# KiCad board OpenEFI_rev4.kicad_pcb (continued)
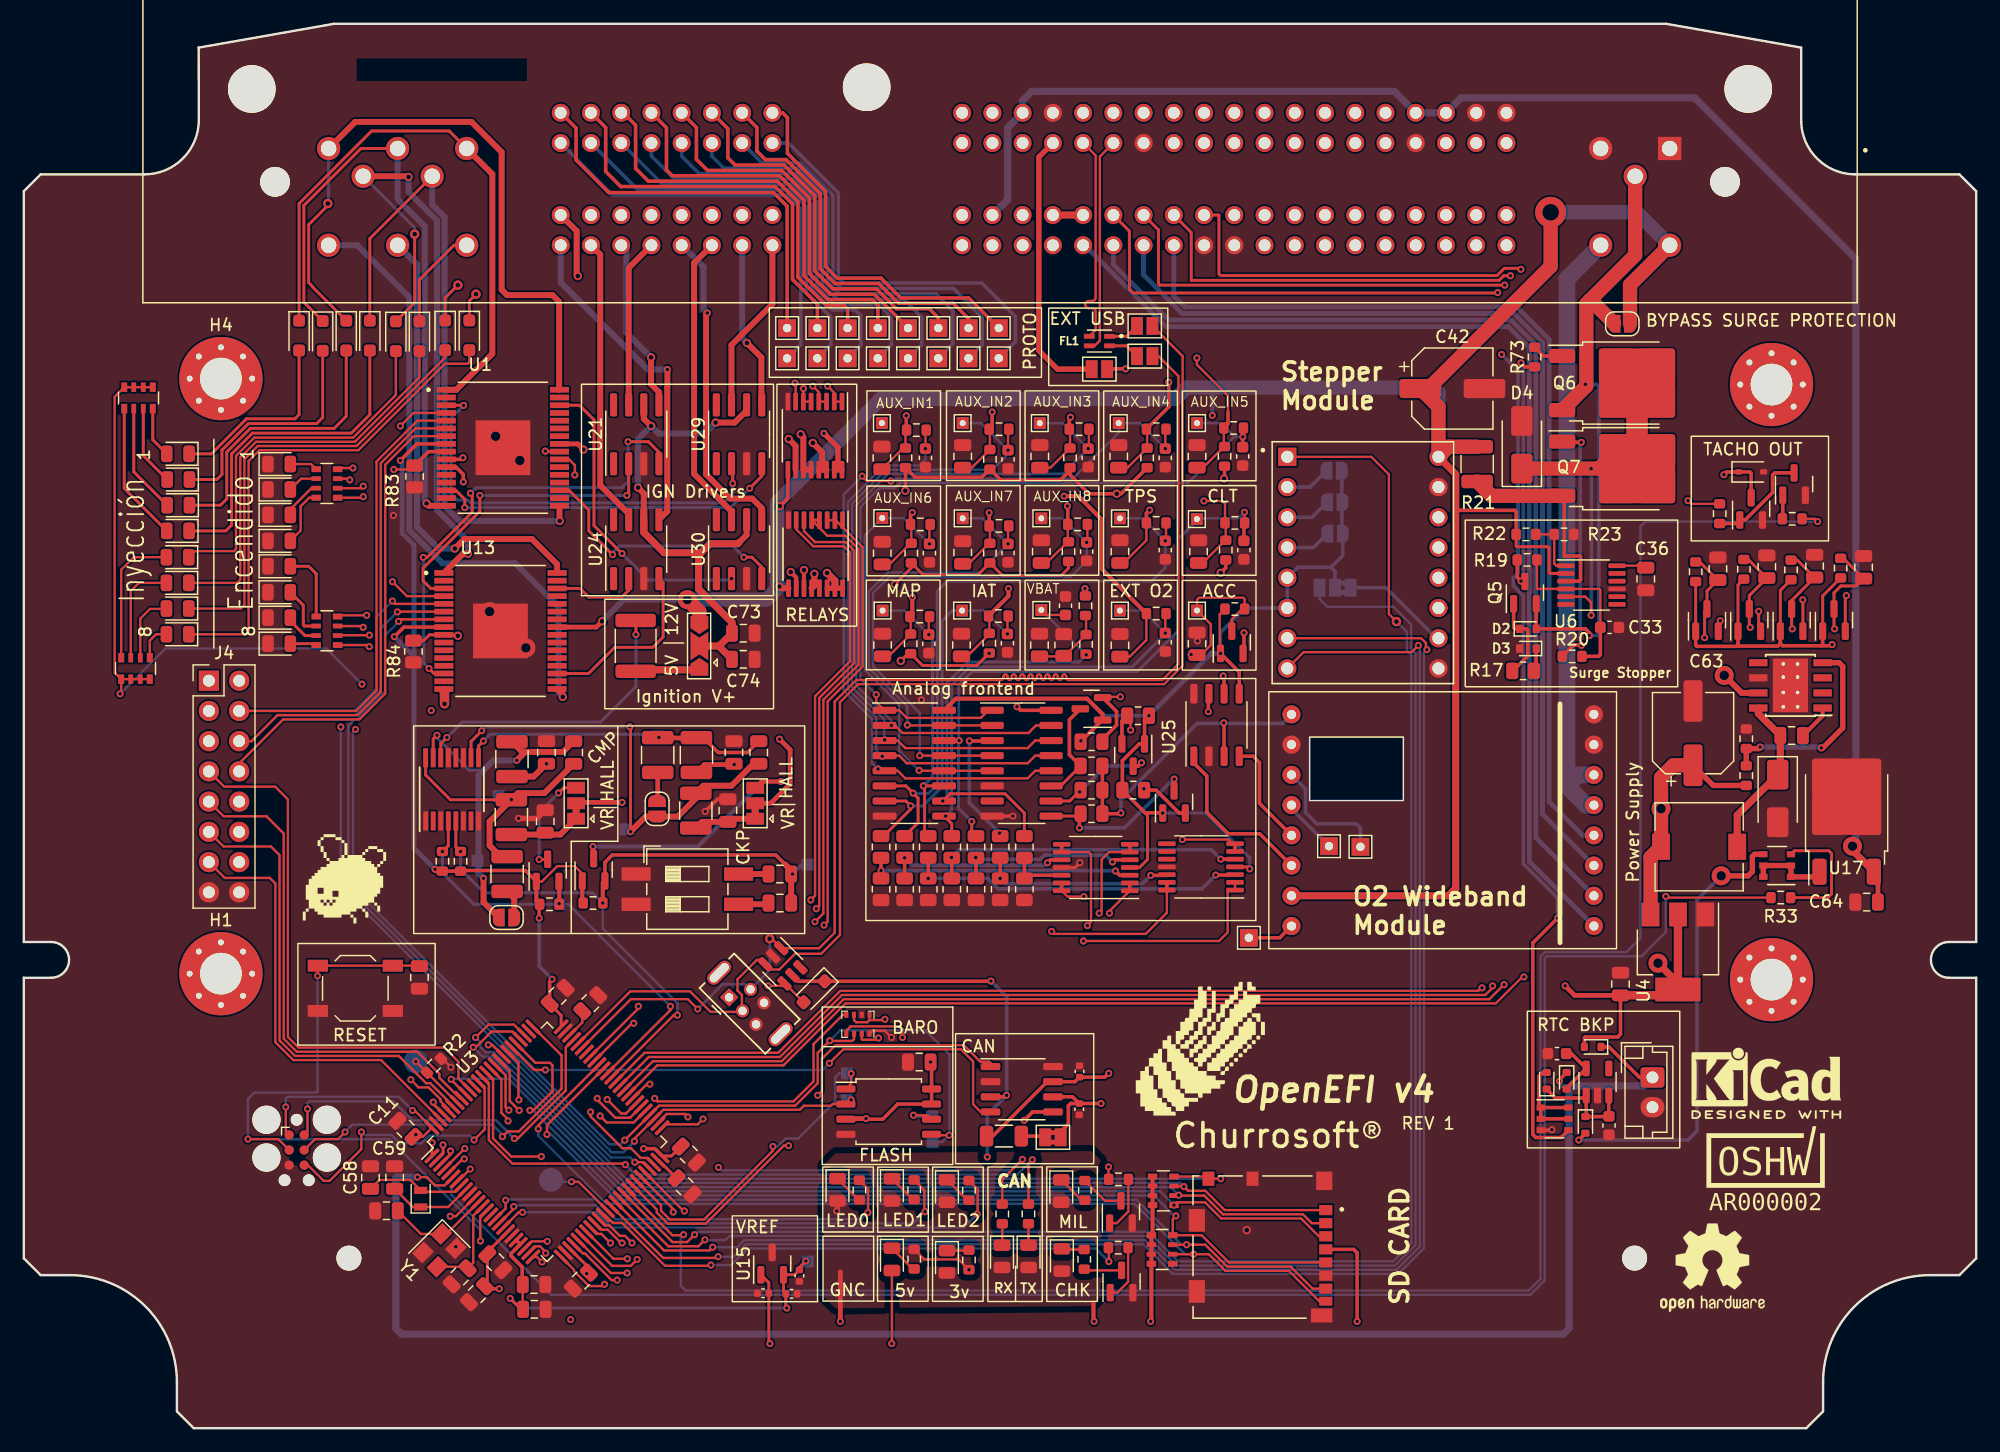
[diagram p0: board, top side]
## Nets (continued)
/Sensores/CH_TPS_m: C71.1 R13.2 R76.1 TP19.1 U26.6
/Sensores/CH_VBATT_m: C29.1 R56.1 R62.2 TP20.1 U26.10
/Sensores/mux_out: R57.2 U2.3
/SPI2_MISO: J4.8 TP30.1 U1.7 U3.53 U7.2 U8.5 U13.7
/SPI2_MOSI: J4.6 TP29.1 U1.6 U3.54 U7.5 U8.3 U13.6
/SPI2_SCK: J4.4 TP28.1 U1.5 U3.47 U7.6 U8.4 U13.5
/SYS_SWCLK: J2.4 U3.76
/SYS_SWDIO: J2.2 U3.72
/SYS_SWO: J2.6 U3.89
/TIM9_CH1: U3.4 U20.1 U20.2 U20.3
/TIM9_CH2: U3.5 U20.4 U20.5
ACC: J6.61 Q19.2
AUX_CH1: C32.1 J6.70 R36.1 R38.2
AUX_CH2: C18.1 J6.71 R6.1 R11.2
AUX_CH3: C21.1 J6.72 R9.1 R14.2
AUX_CH4: C24.1 J6.73 R12.1 R37.2
AUX_CH5: C34.1 J6.74 R8.2 R43.1
AUX_CH6: C37.1 J6.75 R41.1 R60.2
AUX_CH7: C39.1 J6.76 R39.1 R42.2
AUX_CH8: C45.1 J6.77 R15.1 R40.2
AUX_IN1: J6.30 Q2.2
AUX_IN2: J6.31 Q1.2
AUX_IN3: J6.32 Q3.2
AUX_IN4: J6.33 Q4.2
CAN+: C27.2 J6.60 R1.2 U12.7 U25.7
CAN-: C28.1 J6.58 JP7.1 U12.6 U25.6
CH_CLT: C68.1 J6.63 R45.2 R46.1
CH_IAT: C66.1 J6.67 R54.1 R75.2
CH_MAP: C30.1 J6.68 R74.1 R77.2
CH_O2: C1.1 J6.69 R78.2
CH_TPS: C70.1 J6.64 R76.2
CHECK_ENGINE: J6.104 U20.11
CKP+: J6.8 JP9.2
CKP-: C56.1 J6.9 R116.1
CMP+: J6.7 JP8.2
CMP-: C52.1 J6.6 R71.1
IGN1: J6.106 RN3.8 U29.7
IGN2: J6.107 RN3.7 U29.5
IGN3: J6.108 RN3.5 U30.7
IGN4: J6.109 RN3.6 U30.5
IGN5: J6.110 RN4.8 U21.7
IGN6: J6.111 RN4.7 U21.5
IGN7: J6.112 RN4.6 U24.7
IGN8: J6.113 RN4.5 U24.5
IGN_V+: C73.2 C74.1 JP6.2 U21.6 U24.6 U29.6 U30.6
INJ1: D47.1 J6.114 U1.1
INJ2: D64.1 J6.115 U1.16
INJ3: D66.1 J6.116 U1.32
INJ4: D68.1 J6.117 U1.17
INJ5: D70.1 J6.118 U13.1
INJ6: D72.1 J6.119 U13.16
INJ7: D74.1 J6.120 U13.32
INJ8: D76.1 J6.121 U13.17
LSU_Heater+: C42.1 D24.2 J6.4 JP4.2 JP6.3 Q10.4 R21.1 R22.1 R28.2 R35.1 RN1.5 RN1.6 RN1.7 RN1.8 RN2.5 RN2.6 RN2.7 RN2.8 U1.25 U6.2 U13.25 U16.7 U19.7 U20.9 U22.9 U23.16
LSU_Heater-: J6.5 U19.11 U19.12
LSU_Ip: J6.13 U19.13
LSU_Rtrim: J6.11 U19.15
LSU_Un: J6.10 U19.16
LSU_Vm: J6.12 U19.14
MIL_OUT: J6.105 U20.10
OSC32_IN: C58.1 U3.8 Y3.2
OSC32_OUT: C59.1 U3.9 Y3.1
OSC_IN: C2.1 U3.12 Y1.1
OSC_OUT: C3.1 U3.13 Y1.3
PWM0_OUT: J6.102 U20.14 U20.15 U20.16
PWM1_OUT: J6.103 U20.12 U20.13
R0_OUT: J6.98 U22.15 U22.16
R1_OUT: J6.99 U22.13 U22.14
R2_OUT: J6.100 U22.11 U22.12
R3_OUT: J6.101 U22.10
STEPPER_A1: J6.21 U23.12
STEPPER_A2: J6.20 U23.11
STEPPER_B1: J6.22 U23.13
STEPPER_B2: J6.23 U23.14
TACHO_OUT: D11.1 J6.19 Q12.3
USB_D+: J1.3 JP12.2 U3.71 U11.3
USB_D-: J1.2 JP11.2 U3.70 U11.1
Net-(C25-Pad1): C25.1 R16.2 R28.1 R56.2
Net-(C41-Pad2): C41.2 SW4.4
Net-(C47-Pad2): C47.2 SW4.3
Net-(D1-K): D1.1 R5.1
Net-(D2-K): D2.1 Q5.1 R17.2
Net-(D3-K): D3.1 R17.1
Net-(D4-A1): D4.1 Q6.2 Q7.2 U6.5
Net-(D5-K): D5.1 R24.1
Net-(D6-K): D6.1 R4.1
Net-(D7-K): D7.1 R3.1
Net-(D8-K): D8.1 R25.1
Net-(D9-K): D9.1 R26.1
Net-(D10-K): D10.1 R27.1
Net-(D12-K): D12.1 R29.1
Net-(D13-K): D13.1 R30.1
Net-(D16-A): D16.2 RN3.2
Net-(D17-A): D17.2 RN3.3
Net-(D18-A): D18.2 RN3.4
Net-(D19-A): D19.2 RN4.1
Net-(D20-A): D20.2 RN4.2
Net-(D21-A): D21.2 RN4.3
Net-(D22-A): D22.2 RN4.4
Net-(D23-A): D23.2 Q20.1 Q20.2 Q20.5 Q20.6
Net-(D23-K): C60.1 D23.1 D24.1 U14.1 U14.3
Net-(D25-A): C61.1 D25.2 U14.5
Net-(D26-K): C62.2 D26.1 L1.1 U16.8
Net-(D43-A): D43.2 RN1.4
Net-(D43-K): D43.1 D47.2
Net-(D63-A): D63.2 RN1.3
Net-(D63-K): D63.1 D64.2
Net-(D65-A): D65.2 RN1.2
Net-(D65-K): D65.1 D66.2
Net-(D67-A): D67.2 RN1.1
Net-(D67-K): D67.1 D68.2
Net-(D69-A): D69.2 RN2.4
Net-(D69-K): D69.1 D70.2
Net-(D71-A): D71.2 RN2.3
Net-(D71-K): D71.1 D72.2
Net-(D73-A): D73.2 RN2.2
Net-(D73-K): D73.1 D74.2
Net-(D75-A): D75.2 RN2.1
Net-(D75-K): D75.1 D76.2
Net-(D77-A): D77.2 RN3.1
Net-(J6-Pad82): J6.82 TP34.1
Net-(J6-Pad83): J6.83 TP33.1
Net-(J6-Pad84): J6.84 TP32.1
Net-(J6-Pad85): J6.85 TP31.1
Net-(J6-Pad86): J6.86 TP27.1
Net-(J6-Pad87): J6.87 TP26.1
Net-(J6-Pad88): J6.88 TP24.1
Net-(J6-Pad89): J6.89 TP22.1
Net-(J6-Pad90): J6.90 TP74.1
Net-(J6-Pad91): J6.91 TP73.1
Net-(J6-Pad92): J6.92 TP72.1
Net-(J6-Pad93): J6.93 TP71.1
Net-(J6-Pad94): J6.94 TP70.1
Net-(J6-Pad95): J6.95 TP69.1
Net-(J6-Pad96): J6.96 TP68.1
Net-(J6-Pad97): J6.97 TP67.1
Net-(JP1-B): JP1.2 U23.3
Net-(JP2-B): JP2.2 U23.2
Net-(JP3-B): JP3.2 U23.4
Net-(JP5-A): JP5.1 U23.10
Net-(JP6-A): F1.2 JP6.1
Net-(JP7-B): JP7.2 R1.1
Net-(JP8-A): C53.1 JP8.1 R72.1
Net-(JP8-B): JP8.3 Q17.3
Net-(JP9-B): JP9.3 Q18.3
Net-(JP11-A): FL1.4 JP11.1
Net-(JP12-A): FL1.1 JP12.1
Net-(JP23-B): JP23.2 R115.2
Net-(JP24-B): JP24.2 R120.2
Net-(Q5-C): Q5.3 R19.2 R73.2
Net-(Q6-G): Q6.1 R73.1
Net-(Q7-G): Q7.1 R20.1
Net-(Q7-S): Q7.3 R21.2 U6.3
Net-(Q8-B): Q8.1 R31.2
Net-(Q9-B): Q9.1 R32.2
Net-(Q10-G): Q10.3 R33.2
Net-(Q11-B): Q11.1 R34.2
Net-(Q11-C): Q11.3 Q12.1 R35.2
Net-(U3-BOOT0): R2.1 TP1.1 U3.94
Net-(U3-PB2): TP2.1 U3.37
Net-(U3-VCAP_1): C7.1 U3.49
Net-(U3-VCAP_2): C8.1 U3.73
Net-(U6-FB): R22.2 R23.2 U6.1
Net-(U6-GATE): C33.1 R19.1 R20.2 U6.4
Net-(U6-TMR): C36.1 U6.12
Net-(U9A-+): R47.1 R48.1 U9.3
Net-(U9B-+): R7.1 R10.1 U9.5
Net-(U9C-+): R13.1 R44.1 U9.10
Net-(U9D-+): R62.1 R63.1 U9.12
Net-(U10A-+): R55.1 R61.1 U10.3
Net-(U10B-+): R67.1 R69.1 U10.5
Net-(U10D-+): R57.1 R66.1 U10.12
Net-(U13-GD0): U13.3 U21.2
Net-(U13-GD1): U13.14 U21.4
Net-(U13-GD2): U13.30 U24.2
Net-(U13-GD3): U13.19 U24.4
Net-(U16-BOOT): C62.1 U16.1
Net-(U16-VSENSE): R68.2 R70.1 U16.4
Net-(U17-IN): Q10.1 Q10.2 Q10.5 Q10.6 U17.1
Net-(U19-SEL_1): TP37.1 U19.3
Net-(U19-SEL_2): TP36.1 U19.4

Pads without a net: H1 1; H2 1; H3 1; H4 1; J1 6; J6 16 17 18 24 34 35 36 37 38 39 40 41 42 43 44 45 46 51 52 53 54 55 56 57; RN6 1; U1 2 12 13 15 18 20 21 22 26 27 28 29 31; U2 7; U3 90; U6 6 7 8 10 11; U10 8 9 10; U11 6; U13 2 10 11 12 13 15 18 20 21 22 23 24 26 27 28 29 31; U14 4; U16 2 3 5; U21 1 8; U24 1 8; U29 1 8; U30 1 8; U36 2 7 12

## Via types
v1: diameter 0.6, hole 0.3, Top to Bottom, 341 vias
v2: diameter 1.6, hole 0.8, Top to Bottom, 10 vias
v3: diameter 0.7, hole 0.4, Top to Bottom, 32 vias
v4: diameter 0.8, hole 0.4, Top to Bottom, 6 vias
v5: diameter 2.6, hole 1.4, Top to Bottom, 1 via

## Routing (per net, layer and track width the routed paths; a pad name or vN(x,y) marks a point on that pad's centre or on a via; arc(x,y) is an arc through that point)
5V_ENABLE: length 150.2
  Top w0.2: 146.76,44.58 138.03,44.58 v1(137.93,44.68) ; U3.7 36.48,20.75 v1(37.5,21.77)
  Bottom w0.2: v1(137.93,44.68) 137.93,41.69 135.9,39.66 127.92,39.66 127.76,39.49 127.76,12.41 126.55,11.21 44.31,11.21 35.92,19.59 35.92,20.2 v1(37.5,21.77)
12V_PERM: length 90.8
  Top w0.3: v1(128.84,42.86) 126.76,40.77 126.76,24.68 127.01,24.43 129.13,24.43 Q20.4
  In1.Cu w0.3: v1(124.14,90.22) 124.14,91.27 123.16,92.25 123.16,106.6 J6.62
  Bottom w0.3: v1(128.84,42.86) 128.84,44.53 125.96,47.41 125.96,69.94 125.11,70.79 125.11,71.45 125.5,71.83 125.51,71.83 125.51,88.85 v1(124.14,90.22)
+3V3: length 679.4
  Top w0.2: J2.1 22.01,24.92 v1(22.01,26.99) ; v1(100.52,65.1) 100.46,65.16 100.46,68.38 R85.2 ; v1(72.34,34.36) 72.27,34.29 71.04,34.29 ; U3.11 36.29,17.81 v1(35.82,17.81) ; U8.6 69.74,34.29 69.91,34.11 70.86,34.11 71.04,34.29 ; Q17.1 43.52,45.93 44.81,47.22 46.29,47.22 46.91,46.6 Q18.1 ; 71.04,34.29 U8.8 ; v1(32.65,26.7) 32.82,26.7 U3.100 33.52,24.48 C11.1
  Top w0.25: Q1.1 143.99,70.85 R80.2 ; 94.18,51.71 94.4,51.5 94.4,47.78 93.72,47.11 U9.4 ; Q4.1 151.1,69.93 R82.2 ; R81.2 147.55,70.39 Q3.1 ; Q2.1 140.43,66.96 R79.2 ; U3.28 47.47,13.47 C15.1 ; C10.1 54.4,22.87 U3.50 ; C14.1 45.14,34.69 U3.75 ; U3.19 38.94,14.8 C16.1 38.94,12.14 C13.1 ; v1(102.98,47) 102.82,47.16 U10.4
  Top w0.3: 147.55,65.93 Q3.1 ; 147.55,65.93 147.74,65.74 150.99,65.74 ; 147.55,65.93 147.33,65.72 144.08,65.72 143.99,65.81 ; v1(112,8.97) 112,14.74 111.71,15.03 J3.4 ; 143.99,65.81 Q1.1 ; 143.99,65.81 143.87,65.69 140.55,65.69 140.44,65.8 Q2.1 ; 150.99,65.74 151.8,65.74 v1(151.9,65.84) ; 150.99,65.74 151.1,65.86 Q4.1 ; R49.2 90.59,59.5 Q16.1 ; v1(43.29,42.86) 43.29,43.99 R64.1 ; v1(44.38,37.72) 44.17,37.51 C14.1 ; C13.1 38.94,11.72 v1(39.94,11.72) ; U3.50 53.01,23.49 v1(52.07,23.49) ; v1(32.93,24.67) 32.92,24.67 C11.1 ; U13.8 31.93,67.31 v1(31.12,66.5) ; D14.2 131.08,32.81 131.15,32.87 133.89,32.87 134.12,33.1 C65.1 ; v1(94.51,59.86) 94.14,59.49 Q14.1 93.69,57.5 92.28,56.09 R53.2 94.18,51.71 95.65,51.71 v1(95.67,51.68) ; U1.8 33.02,82.7 v1(31.63,81.31) ; v1(76.17,30.77) 76.25,30.68 U7.8 U7.7 73.42,27.23 72.15,25.96 U7.3 ; Q17.1 42.12,46.86 36.74,46.86 R122.1 R121.1 ; U12.5 84.74,26.57 v1(84.03,25.87) ; C15.1 47.37,13.07 v1(47.28,12.99) ; U25.5 102.09,63.53 v1(100.52,65.1)
  Top w0.35: Q16.1 90.62,59.98 89.31,61.3 78.28,61.3 U26.16 ; v1(94.65,8.97) 94.71,9.04 RN6.8 RN6.5 94.82,16.32 RN5.5 ; R65.1 46.91,44.2 Q18.1 ; R64.1 43.05,44.3 Q17.1 ; v1(89.9,8.97) 89.85,9.02 89.85,10.57
  Top w0.4: v1(34.54,46.97) 34.7,46.81 R121.1 ; U7.3 69.1,26.02 v1(70.75,26.02) ; v1(68.59,8.97) 68.59,13.14 ; C65.1 130.27,36.37 v1(129.47,37.17) ; D8.2 68.35,18.31 v1(68.28,18.25)
  Top w0.6: v2(137.27,39.07) 138.95,37.39 U4.2
  Top w0.7: U4.2 U4.2 138.47,36.38 134.13,36.38 C65.1
  In1.Cu w0.3: v1(45.93,9.12) 47.28,10.47 v1(47.28,12.99)
  In1.Cu w0.4: v1(84.03,25.87) 83.76,25.59 71.17,25.59 v1(70.75,26.02) 70.72,26.04 69.22,26.04 68.28,25.1 v1(68.28,18.25) ; U23.6 108.52,68.92 127.52,49.92 127.52,39.12 v1(129.47,37.17)
  In2.Cu w0.2: v1(76.17,30.77) 76.17,31.6 73.41,34.36 v1(72.34,34.36) ; v1(35.82,17.81) 35.37,17.81 33.76,16.21
  In2.Cu w0.3: v1(151.9,65.84) 151.9,43.57 151.32,42.98 141.18,42.98 v2(137.27,39.07) ; v1(32.65,26.7) 32.65,28.45 41.92,37.72 v1(44.38,37.72) ; v1(52.07,23.49) 51.97,23.39 50.54,23.39 39.94,12.78 v1(39.94,11.72) 39.83,11.61 38.36,11.61 ; v1(32.93,24.67) 30.89,22.63 30.89,19.08
  In2.Cu w1.2: v2(137.27,39.07) 131.96,33.76 131.96,10.06 130.87,8.97 v1(112,8.97) v1(94.65,8.97) v1(89.9,8.97) 41,8.97 33.76,16.21 30.89,19.08 11.92,19.08 9.92,21.09 9.92,61.58 11.14,62.8 J4.1
  Bottom w0.2: v1(32.65,26.7) 31.51,27.84 24.71,27.84 24.71,27.85 22.16,27.85 22.01,27.69 v1(22.01,26.99)
  Bottom w0.25: v1(102.98,47) 102.98,47.94 99.23,51.68 v1(95.67,51.68)
  Bottom w0.3: 109.79,72.34 110.14,71.99 JP5.2 ; 109.79,72.34 109.81,72.34 110.79,73.33 JP3.1 110.72,75.24 JP2.1 ; 109.79,72.34 107.02,72.34 U23.5 U23.6 102.57,68.92 100.52,66.86 v1(100.52,65.1) ; v1(94.51,59.86) 90.9,59.86 v1(88.8,57.75) ; v1(44.38,37.72) 43.29,38.82 v1(43.29,42.86)
  Bottom w0.4: 32.78,64.55 32.78,64.85 v1(31.12,66.5) ; 32.78,64.55 32.78,48.73 v1(34.54,46.97) ; 32.78,64.55 32.78,74.2 31.78,75.2 31.78,81.16 v1(31.63,81.31) ; v1(94.51,59.86) 99.74,65.1 v1(100.52,65.1)
+5V: length 407.4
  Top w0.2: v1(72.91,7.11) 72.92,7.12 D6.2
  Top w0.25: U15.1 62.58,12.23 C40.1 62.58,7.2 v1(62.67,7.11) ; v1(51.42,66.68) 51.42,67.85 F1.1 ; U36.14 35.02,57.52 v1(35.54,58.04)
  Top w0.3: U11.5 65.05,37.55 D15.1 81.22,37.55 v1(81.24,37.57) ; R18.1 R50.1 R52.1 92.1,51.63 v1(92.16,51.69) ; v1(100.8,59.26) 100.82,59.24 U25.3 ; v1(82.56,27.97) 82.43,27.84 U12.3
  Top w0.45: C63.1 141.91,54.01 R68.1
  Top w1.2: U4.3 136.65,47.97 L1.2 137.53,52.05 v2(137.52,52.05) 137.53,54.67 138.56,55.7 C63.1
  In1.Cu w0.2: v1(72.91,7.11) 72.91,7.85 72.93,7.87
  In1.Cu w0.25: v1(62.67,7.11) 62.67,7.54 62.34,7.87
  In1.Cu w0.3: v1(80.93,22.79) 80.93,8.43 80.37,7.87
  In1.Cu w1.2: J4.2 18.09,65.06 17.97,65.18 10.47,65.18 10.02,64.72 10.02,20.73 11.82,18.93 31.04,18.93 42.1,7.87 95.38,7.87 95.39,7.88 95.39,7.87 130.94,7.87 132.19,9.12 132.19,33.41 135.67,36.89 135.67,50.2 v2(137.52,52.05)
  In2.Cu w0.3: v1(92.16,51.69) 92.16,49.94 81.24,39.02 v1(81.24,37.57)
  In2.Cu w0.5: v1(35.54,58.04) 35.54,56.5 34.96,55.91 20.2,55.91 19.82,56.29 19.82,62.11 19.13,62.8 J4.2
  Bottom w0.25: v1(35.54,58.04) 36.83,59.33 48.44,59.33 51.42,62.31 v1(51.42,66.68)
  Bottom w0.3: U19.1 105.72,59.21 98.56,59.21 92.16,52.81 v1(92.16,51.69) ; v1(81.24,37.57) 82.56,36.25 v1(82.56,27.97) 80.93,26.35 v1(80.93,22.79)
+12VA: length 56.5
  Top w0.3: 130.15,86.47 131.17,87.5 v1(131.17,87.71) ; Q5.2 D2.2 131.18,67.16 131.51,66.83 v1(131.51,66.6)
  Top w1.2: 131.56,94.78 135.35,98.57 J6.3 ; 131.56,94.78 131.64,94.78 133.57,92.84 133.57,92.79 ; 131.56,94.78 131.25,94.47 131.25,87.57 Q6.3
  Bottom w0.3: v1(131.51,66.6) 132.24,66.6 132.31,66.67 132.31,87.49 132.09,87.71 v1(131.17,87.71)
/connector/VBUSC: length 23
  Top w0.45: JP10.1 86.83,88.98 85.26,90.55 85.26,106.8 J6.47
GND: length 18.6
  Top w0.2: R2.2 35.16,31.04 v1(35.87,30.33) ; U8.1 71.3,33.41 72.31,33.41 v1(72.88,32.83) ; R4.2 75.64,14.18 78.52,14.18 v1(79.39,13.31)
  Top w0.25: v1(88.71,47.51) 88.31,47.11 U9.11
  Top w0.3: v1(128.36,25.08) 128.32,25.04 Q20.3 ; v1(98.59,66.15) 98.59,66.82 C31.1 ; C55.2 58.26,52.85 v1(57.24,51.82) ; U2.8 v1(83.08,51.43)
  Top w0.45: v1(41.56,51.24) 43.1,51.24 C53.2
  vias: v1(31.05,76.69) v1(36.28,15.25) v1(75.4,61.19) v2(39.13,68.61) v2(39.63,83.34) v2(41.67,81.31) v2(42.17,65.56) v3(102.73,16.64)
VBATT: length 157.8
  Top w0.2: U3.6 35.34,20.4 34.53,20.4 33.83,21.1 v1(33.07,21.1)
  Top w0.3: D25.1 128.99,29.28 v1(128.99,29.16) ; BT1.1 135.72,29.48 133.16,32.04 D14.1
  Bottom w0.3: v1(128.99,29.16) 128.99,28.96 129.19,28.76 135.65,28.76
  Bottom w0.6: BT1.1 136.09,28.76 130.03,28.76 129.8,28.53 129.8,8.39 129.32,7.91 31.73,7.91 31.25,8.39 31.25,21.04 31.31,21.1 v1(33.07,21.1)
VBUS: length 91.9
  Top w0.2: v1(51.62,35.45) 51.62,35.27 U3.68 ; v1(62.52,37.17) 63.67,37.17 U11.4 63.92,37.38 D15.2
  Top w0.3: JP10.2 91.02,89.01 v1(92.55,89.01)
  In1.Cu w0.2: J1.1 52.37,36.2 v1(51.62,35.45)
  In2.Cu w0.2: J1.1 59.24,36.81 60.54,38.11 61.58,38.11 v1(62.52,37.17)
  In2.Cu w0.3: v1(92.55,89.01) 92.55,87.39 92.52,87.36 86.76,87.36 67.98,68.58 67.98,42.07 63.08,37.17 v1(62.52,37.17)
VDDA: length 37.3
  Top w0.2: C6.1 41.91,10.01 C5.1
  Top w0.25: v1(64.09,10.1) 64.01,10.18 C48.1 63.81,11.49 U15.2 64.75,12.89 C43.1 65.15,13.51 v1(65.69,14.05) ; C5.1 41.77,9.99 v1(40.85,10.9)
  Top w0.3: U3.21 U3.22 40.93,14.67 40.93,14.46 41.87,13.52 41.87,12.11 C6.1
  Bottom w0.25: TP39.1 65.8,14.05 v1(65.69,14.05) ; v1(40.85,10.9) 41.66,10.1 v1(64.09,10.1)
+5C: length 236.9
  Top w0.25: v3(73.67,64.47) 74.28,65.08 R74.2 75.5,64.08 80.05,64.08 R54.2 ; R15.2 87.76,72.26 87.16,71.66 82.19,71.66 R39.2 80.16,71.71 75.54,71.71 R41.2 74.55,72.28 v3(73.16,70.9)
  Top w0.3: R46.2 100.96,72.28 v3(100.54,71.86) ; U2.16 83.73,60.32 v1(83.42,60.62) ; v3(100.82,79.79) 100.86,79.83 R43.2 ; R12.2 92.17,78.52 v3(91.8,78.52) 89.47,78.52 87.88,80.1 R9.2 87.88,80.46 87.08,79.66 82.07,79.66 R6.2 80.48,79.9 74.86,79.9 R36.2 74.06,78.78 ; R54.2 81.1,65.12 v1(81.09,65.11)
  Top w0.4: U17.3 155.75,46.41 C64.1
  Top w0.6: U17.3 153.61,48.55 v2(153.61,48.9) ; J6.29 J6.28
  In1.Cu w0.7: J6.27 J6.25
  In2.Cu w0.3: v1(81.09,65.11) 81.9,65.11 83.42,63.58 v1(83.42,60.62)
  In2.Cu w0.6: J6.29 90.24,100.68 90.24,98.04 95.54,92.73 95.54,88.95 95.81,88.69 97.28,88.69 97.39,88.58 97.39,86.72 97.99,86.12
  In2.Cu w0.7: J6.27 J6.28
  Bottom w0.6: v2(153.61,48.9) 153.9,49.19 153.9,98.24 140.36,111.78 120.72,111.78 J6.79 J6.78 115.12,112.32 84.67,112.32 83.9,111.56 J6.65 82.65,109.27 82.65,103.22 J6.26
  vias: v3(74.05,78.77)
/ACC_DET: length 93.7
  Top w0.2: v1(64.24,23.74) 63.84,23.74 57.28,17.18 57.28,17.18 54.11,17.18 53.17,18.12 53.17,18.37 51.15,20.4 U3.43 ; Q19.3 101.47,67.97 102.33,68.83 R85.1 102.55,69.65 102.42,69.78 98.71,69.78 98.55,69.62 TP38.1 99.7,67.55 99.7,65.79 98.87,64.96 C31.2 98.5,65 v1(98.05,65)
  In2.Cu w0.2: v1(64.24,23.74) 74.77,23.74 84.88,33.85 84.88,42.18 95.34,52.64 95.34,64.52 95.77,64.95 98,64.95 v1(98.05,65)
/AUX_CS_1: length 78.8
  Top w0.2: U3.45 54.55,18.41 v1(54.55,18.16)
  In1.Cu w0.2: J4.3 16.82,58.99 16.82,56.67 17.03,56.47 22.13,56.47 22.55,56.05 22.55,34.1 43.45,13.2 44.93,13.2 48.17,16.45 52.83,16.45 v1(54.55,18.16)
/AUX_CS_2: length 78.2
  Top w0.2: U3.46 55.42,18.25 v1(55.48,18.25)
  In1.Cu w0.2: J4.5 15.55,57.26 16.75,56.06 16.75,54.21 17.03,53.93 22.03,53.93 22.26,53.7 22.26,33.98 43.33,12.91 45.05,12.91 48.29,16.16 53.39,16.16 v1(55.48,18.25)
/AUX_IN_1_m: length 128.8
  Top w0.2: v1(126.01,37.92) 125.87,37.92 123.65,35.69 69.02,35.69 63.81,30.49 53.21,30.49 U3.59
  Top w0.25: R79.1 140.78,72.79 C72.2 141.39,70.35 Q2.3 141.19,68.64 v1(141.19,66.43)
  In2.Cu w0.2: v1(126.01,37.92) 126.35,38.26 126.35,61.75 128.41,63.81 140.14,63.81 141.11,64.78 141.11,66.35 v1(141.19,66.43)
/AUX_IN_2_m: length 132.3
  Top w0.2: v1(124.34,37.27) 124.33,37.27 123.1,36.04 68.87,36.04 63.66,30.84 52.85,30.84 U3.60
  Top w0.25: R80.1 144.86,72.99 C19.2 144.94,69.96 Q1.3 144.94,67.37 v1(145.02,67.29)
  In2.Cu w0.2: v1(124.34,37.27) 124.69,36.92 125.86,36.92 126.64,37.7 126.64,61.63 128.53,63.52 140.26,63.52 144.03,67.29 v1(145.02,67.29)
/AUX_IN_3_m: length 136.6
  Top w0.2: v1(123.38,37.17) 123.38,37.01 122.76,36.4 68.72,36.4 63.52,31.19 52.5,31.19 U3.61
  Top w0.25: R81.1 148.97,72.94 C22.2 148.5,69.55 Q3.3 148.5,67.21 v1(148.55,67.16)
  In2.Cu w0.25: v1(148.55,67.16) 147.57,66.18 143.36,66.18 140.39,63.21 128.72,63.21 126.95,61.44 126.95,37.57 125.99,36.61 123.94,36.61 v1(123.38,37.17)
/AUX_IN_4_m: length 141.4
  Top w0.2: v1(122.49,37) 122.42,37 122.17,36.75 68.58,36.75 63.37,31.54 52.14,31.54 U3.62
  Top w0.25: R82.1 152.83,73.09 C51.2 153.93,70.77 152.63,70.77 152.05,70.19 Q4.3 152.05,67.21 v1(152.1,67.16)
  In2.Cu w0.2: v1(122.49,37) 122.7,37 123.42,36.28 126.1,36.28 127.27,37.44 127.27,61.31 128.85,62.89 140.52,62.89 143.49,65.87 150.81,65.87 v1(152.1,67.16)
/AUX_IN_5: length 45.5
  Top w0.2: J4.7 16.83,53.9 21.12,53.9 22.18,52.84 22.18,32.87 23.07,31.98 35.32,31.98 36.51,30.79 36.51,29.38 U3.91
/AUX_IN_6: length 41.8
  Top w0.2: U3.93 36.63,27.72 34.91,29.44 34.91,29.77 33.05,31.63 22.93,31.63 21.83,32.73 21.83,49.97 20.38,51.42 16.78,51.42 J4.9
/AUX_IN_7: length 39.2
  Top w0.2: J4.11 16.78,48.88 20.76,48.88 21.48,48.16 21.48,32.58 22.78,31.28 31.5,31.28 33.79,28.99 34.15,28.99 35.51,27.63 35.51,27.55 U3.95
/AUX_IN_8: length 36.2
  Top w0.2: J4.13 16.88,46.23 20.66,46.23 21.13,45.77 21.13,32.44 22.64,30.93 30.01,30.93 U3.98
/AUX_OUT_1: length 61.9
  Top w0.2: v1(49.29,15.56) 49.28,15.56 48.51,16.32 48.15,16.32 U3.33
  In1.Cu w0.2: J4.10 21.36,52.64 21.97,52.03 21.97,33.86 43.2,12.63 43.2,12.62 45.17,12.62 48.1,15.56 v1(49.29,15.56)
/AUX_OUT_2: length 61.5
  Top w0.2: v1(50.25,15.56) 50.16,15.56 49.05,16.68 48.5,16.68 U3.34
  In1.Cu w0.2: v1(50.25,15.56) 50.25,15.27 49.93,14.95 47.9,14.95 45.29,12.33 43.08,12.33 37.46,17.95 37.46,17.96 21.68,33.74 21.68,49.48 21.06,50.1 J4.12
/AUX_OUT_3: length 60.8
  Top w0.2: v1(51.09,15.56) 51.09,15.57 50.5,16.16 50.06,16.16 49.19,17.03 48.86,17.03 U3.35
  In1.Cu w0.2: v1(51.09,15.56) 51.09,15.47 50.28,14.66 48.02,14.66 45.41,12.05 42.96,12.05 34.38,20.63 34.38,20.64 21.4,33.62 21.4,47.1 20.84,47.66 18.18,47.66 J4.14
/BARO_CS: length 35.9
  Top w0.2: U8.2 70.39,32.69 70.44,32.64 71.64,32.64 v1(71.79,32.79) ; v1(51.52,14.18) 50.98,13.64 49.42,13.64 U3.31
  In1.Cu w0.2: v1(71.79,32.79) 70.64,32.79 65.77,27.92 65.77,27.67 52.28,14.18 v1(51.52,14.18)
/CAN1_RX: length 46
  Top w0.2: v1(43.81,30.1) 42.86,30.1 U3.81 ; U12.4 80.38,26.57 79.74,27.21 79.74,30.82 78.72,31.84 68.84,31.84 v1(67.67,30.66)
  Bottom w0.2: v1(43.81,30.1) 67.1,30.1 v1(67.67,30.66)
/CAN1_TX: length 48.7
  Top w0.2: U3.82 41.55,30.7 41.55,27.63 v1(41.59,27.59) ; U12.1 81.2,30.67 81.09,30.79 80.35,30.79 78.95,32.19 68.18,32.19 67.04,31.04 67.04,28.33 v1(66.68,27.97)
  In2.Cu w0.2: v1(41.59,27.59) 42.31,28.31 54.59,28.31 54.92,27.97 v1(66.68,27.97)
/CHK: length 3.2
  Top w0.2: R30.2 89.18,13.26 Q9.3
/CHK_OUT: length 132.9
  Top w0.2: v1(57.72,13.71) 57.66,13.65 53.86,13.65 50.25,17.25 49.47,17.25 48.8,17.93 U3.36 ; v1(91.14,14) 91.14,15.13 R32.1 ; U20.6 65.53,75.38 66.46,74.45 69.03,74.45 69.75,73.73 69.75,64.29 66.81,61.36 66.81,43.9 v1(66.57,43.65)
  In1.Cu w0.2: v1(91.14,14) 86.27,18.88 86.27,39.83 82.46,43.64 69.29,43.64 69.28,43.65 v1(66.57,43.65)
  Bottom w0.2: v1(91.14,14) 90.08,15.07 90.08,15.1 60.8,15.1 59.41,13.71 v1(57.72,13.71)
/CKP: length 61.6
  Top w0.2: U3.63 54.59,34.7 v1(54.9,34.7)
  Top w0.25: v1(36.69,48.46) 36.29,48.85 U36.5
  Top w0.3: 63.94,47.38 63.15,48.16 49.44,48.16 48.81,47.54 Q18.2
  Top w0.35: Q18.2 48.64,45.81 v1(48.64,44.13)
  Top w0.5: 64.46,46.86 C41.1 ; 64.46,46.86 C47.1 ; 64.46,46.86 63.94,47.38
  Bottom w0.2: v1(48.64,44.13) 48.64,41.97 54.91,35.7 54.91,34.7 v1(54.9,34.7)
  Bottom w0.25: v1(48.64,44.13) 47.77,44.99 38.67,44.99 36.69,46.97 v1(36.69,48.46)
  Bottom w0.3: v1(64.58,46.56) 65.36,47.35 TP7.1
/CKP/CMP_sensors/CKP_VR: length 5.3
  Top w0.5: R117.1 56.97,50.95 C55.1 59.4,51.21 JP9.1
/CKP/CMP_sensors/IN1+: length 23.7
  Top w0.25: U36.16 33.75,54.88 35.83,52.8 R72.2
  Top w0.5: R115.1 40.05,48.03 39.13,48.95 39.13,50.97 R72.2 v1(40.95,52.81) 40.96,52.81 41.52,53.36 43.73,53.36 C54.1
  Bottom w0.3: TP4.1 40.19,52.81 v1(40.95,52.81)
/CKP/CMP_sensors/IN1-: length 32.3
  Top w0.25: U36.15 34.39,57.9 v1(34.71,58.22)
  Top w0.5: v1(38.62,46.21) 38.62,44.19 JP23.1 ; 42.12,56.82 41.86,56.82 R71.2 ; 42.12,56.82 v1(41.41,56.11) ; 42.12,56.82 45.28,56.82 C54.2
  Bottom w0.25: v1(34.71,58.22) 34.71,58 37.41,55.29 38.62,55.29
  Bottom w0.3: v1(38.62,46.21) 38.11,46.72 TP5.1
  Bottom w0.5: v1(38.62,46.21) 38.19,46.64 38.19,54.86 39.44,56.11 v1(41.41,56.11)
/CKP/CMP_sensors/IN2+: length 38.3
  Top w0.25: v1(50.96,50.12) 50.96,58.88 v1(50.91,58.93) ; v1(38.46,58.6) 37.56,57.7 U36.10
  Top w0.4: 61.39,55.82 C57.2
  Top w0.5: v1(50.96,50.12) 52.23,51.39 JP24.1 54.92,51.39 56.45,52.91 R117.2 57.08,53.98 59.45,53.98 61.3,55.82 C57.2
  Bottom w0.25: v1(38.46,58.6) 38.79,58.93 v1(50.91,58.93)
  Bottom w0.3: v1(50.96,50.12) 50.73,50.12 TP6.1
/CKP/CMP_sensors/IN2-: length 25.4
  Top w0.25: U36.9 38.2,57.32 v1(38.62,57.74)
  Top w0.3: C57.1 60.78,56.77 58.33,56.77 57.17,57.93 56.96,57.93
  Top w0.4: v1(53.35,58.04) 56.6,57.93
  Bottom w0.25: v1(38.62,57.74) 39.18,58.3 53.01,58.3 TP3.1
/CMP: length 38.1
  Top w0.2: v1(54.31,35.45) 54.31,35.13 U3.64
  Top w0.25: U36.4 35.66,48.95 v1(35.16,48.46)
  Top w0.35: R64.2 44.98,44.06 v1(44.97,44.07) 44.98,44.09 44.98,45.9 Q17.2
  Bottom w0.2: v1(54.31,35.45) 45.74,44.02 TP8.1
  Bottom w0.25: v1(35.16,48.46) 35.16,46.67 37.8,44.02 TP8.1
/connector/USBD+: length 18.1
  Top w0.2: J6.48 90.04,106.93 90.04,95.01 arc(89.95,94.8) 89.74,94.71 89.46,94.71 arc(89.24,94.62) 89.16,94.41 arc(89.24,94.2) 89.46,94.11 89.74,94.11 arc(89.95,94.02) 90.04,93.81 90.04,92.28 FL1.2
/connector/USBD-: length 18.1
  Top w0.2: FL1.3 89.95,90.94 90.39,91.38 90.39,106.85 J6.49
/ECN1: length 76
  Top w0.2: U3.57 50.57,26.44 50.18,26.44 v1(49.01,27.62) ; v1(43.8,82.1) 43.84,82.05 U1.24
  In1.Cu w0.2: v1(49.01,27.62) 49.01,27.72 45.33,31.4 45.33,33.94 32.99,46.28 32.99,70.45 33.64,71.1 43.16,71.1 44.08,72.01 44.08,81.82 v1(43.8,82.1)
/ECN2: length 77.7
  Top w0.2: v1(46.29,80.09) 46.29,80.91 45.8,81.4 U1.23 ; U3.58 52.33,28.91 v1(52.59,28.91)
  In1.Cu w0.2: v1(46.29,80.09) 45.27,80.09 44.37,79.19 44.37,78.49 44.37,71.9 43.28,70.81 33.76,70.81 33.28,70.33 33.28,46.4 45.61,34.06 45.61,31.52 48.39,28.74 52.42,28.74 v1(52.59,28.91)
/INY1: length 71.7
  Top w0.2: v1(48.41,26.24) 48.96,25.69 51.23,25.69 U3.55
  Top w0.3: v1(36.89,81.54) 36.75,81.4 U1.10
  In1.Cu w0.2: v1(36.89,81.54) 36.66,81.31 33.16,81.31 32.53,80.69 32.53,72.24 32.41,72.13 32.41,46.04 44.75,33.7 44.75,31.16 47.57,28.34 47.57,27.46 48.41,26.61 v1(48.41,26.24)
/INY2: length 69.9
  Top w0.2: v1(48.17,27.71) 48.17,27.61 49.68,26.09 50.93,26.09 U3.56
  Top w0.3: U1.11 36.3,80.75 36.92,80.14 v1(36.92,79.51)
  In1.Cu w0.2: v1(48.17,27.71) 48.17,28.15 45.04,31.28 45.04,33.82 32.7,46.16 32.7,71.63 32.82,71.74 32.82,79.76 32.95,79.89 36.53,79.89 v1(36.92,79.51)
/LED0: length 36.4
  Top w0.2: v1(40.47,19.16) 40.47,18.46 U3.16 ; v1(70.9,18.12) 70.92,18.13 70.92,20.1 R25.2
  Bottom w0.2: v1(70.9,18.12) 70.35,17.56 49.71,17.56 48.05,19.22 40.54,19.22 v1(40.47,19.16)
/LED1: length 40.6
  Top w0.2: R26.2 75.65,20 75.65,18.24 v1(75.7,18.19) ; U3.17 41.16,18.44 v1(41.16,18.62)
  Bottom w0.2: v1(41.16,18.62) 41.27,18.74 48.02,18.74 49.56,17.21 74.72,17.21 v1(75.7,18.19)
/LED2: length 44.4
  Top w0.2: v1(80.07,17.99) 80.12,18.04 80.12,20.08 R27.2 ; v1(41.89,18.14) 41.57,18.14 U3.18
  Bottom w0.2: v1(80.07,17.99) 78.94,16.86 49.41,16.86 48.13,18.14 v1(41.89,18.14)
/LED_CAN_RX: length 56.8
  Top w0.2: U3.87 39.42,29.3 39.42,26.63 39.42,26.62 39.42,24.35 40.94,22.82 v1(43.47,22.82) ; v1(83.88,22.59) 82.19,20.9 R24.2
  In1.Cu w0.2: v1(43.47,22.82) 48.81,22.82 50.49,21.15 54.07,21.15 54.83,21.91 v1(58.35,21.91)
  Bottom w0.2: v1(83.88,22.59) 82.96,21.66 58.6,21.66 v1(58.35,21.91)
/LED_CAN_TX: length 56.7
  Top w0.2: v1(50.53,22.14) 50.44,22.23 43.72,22.23 43.72,22.22 41.05,22.22 39.06,24.21 39.06,28.54 39.06,28.54 39.06,28.95 U3.88 ; R5.2 84.39,22.23 v1(84.72,22.56)
  Bottom w0.2: v1(84.72,22.56) 83.47,21.31 51.36,21.31 v1(50.53,22.14)
/MEMORY_CS: length 27.9
  Top w0.2: U7.1 69.5,28.95 v1(69.5,29.8) ; U3.44 53.53,18.73 53.53,18.27 54.26,17.53 57.13,17.53 62.93,23.33 v1(62.93,23.68)
  Bottom w0.2: TP9.1 v1(69.5,29.8) 68.49,29.8 68.16,29.47 68.16,27.45 65.04,24.34 63.99,24.34 63.33,23.68 v1(62.93,23.68)
/MIL: length 3.7
  Top w0.2: Q8.3 90.83,19.1 R29.2
/MIL_OUT: length 108.9
  Top w0.2: U20.7 64.88,75.53 66.31,74.1 68.89,74.1 69.4,73.58 69.4,64.44 66.46,61.5 66.46,44.74 v1(66.1,44.38) ; v1(91.12,21.95) 91.12,20.92 R31.1 ; v1(51.23,34.03) 51.09,34.03 U3.67